# Altium PCB F1_MODULE.PcbDoc (part 1 of 2) (continued)
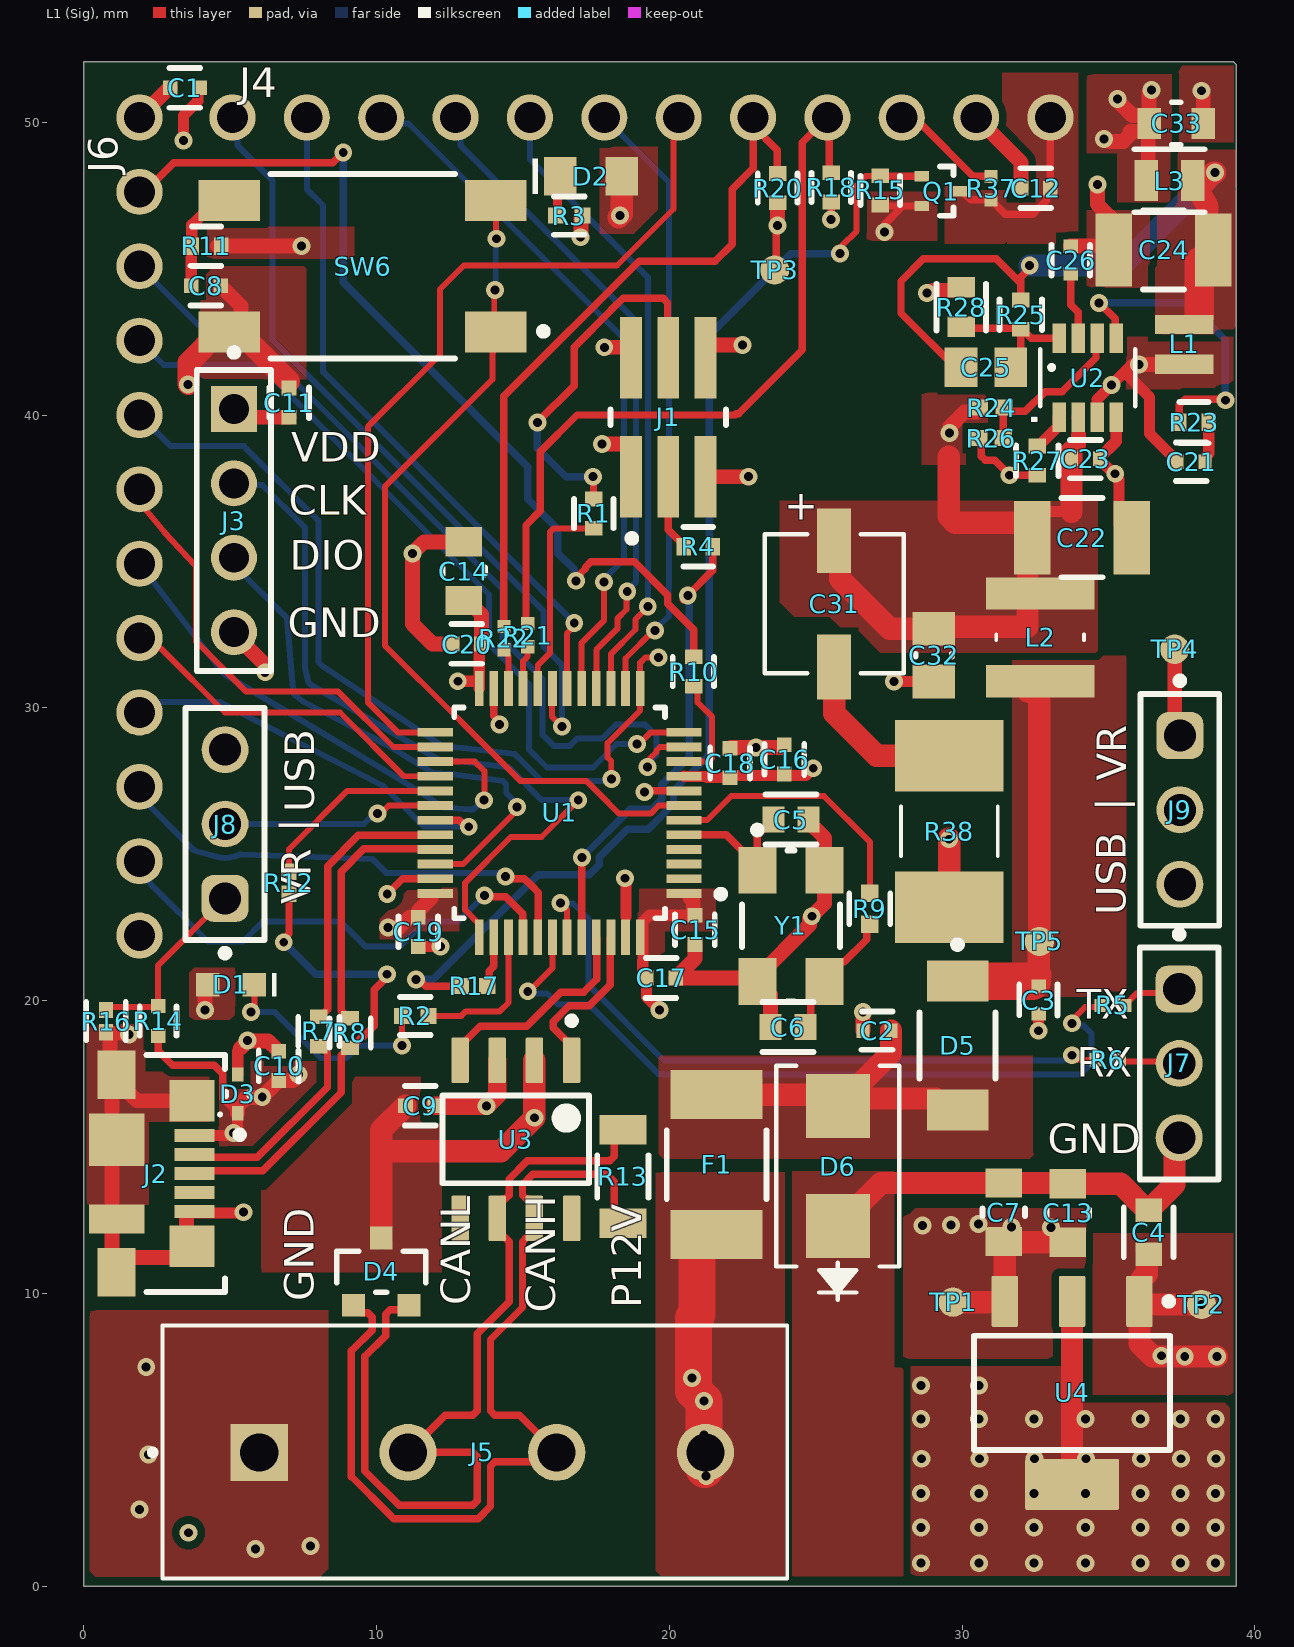
[diagram p0: L1 (Sig) view]
## Part data (continued)
F1: library part CMP-08606-000001-1, "PTC RESET FUSE 24V 1.1A 1812", Ambient Temperature Range High=+85°C, Ambient Temperature Range Low=-40°C, Current Rating=20A, Hold Current=1.1A, Manufacturer=Littelfuse, Package=0, Resistance=0.06-0.18Ω, Temperature="-40°C to +85°C", Trip Current=2.2A, Voltage Rating=24V, Automotive=No, Category=Fuse, ComponentLink2Description=Datasheet, ComponentLink2URL=https://www.littelfuse.com/~/media/electronics/datasheets/resettable_ptcs/littelfuse_ptc_minismdc_datasheet.pdf.pdf, Device Class L1="Circuit Protection", Device Class L2="PTC Resettable Fuses", Device Class L3=unset, Digikey Description="PTC RESET FUSE 24V 1.1A 1812", Height=1.46mm, Lead Free=Yes, Manufacturer Part Number=MINISMDC110F/24-2, Octopart=https://octopart.com/minismdc110f%2F24-2-littelfuse-74215018, RoHS=TRUE, Temperature Range High=+85°C, Temperature Range Low=-40°C, Trip Time=0.5s
J1: library part CMP-02766-001757-1, "CONN HEADER SMD 6POS 1.27MM", Flammability Rating="UL94 V-0", Housing Color=Black, Max Operating Temperature=125°C, Min Operating Temperature=-55°C, Contact Finish - Mating=GOLD, Contact Material=Bronze, Contact Plating=Gold, Contact Shape=Square, Contact Type="Male Pin", Depth=5.84mm, Fastening Type=Pull, Gender=Male, Housing Material=Polymer, Insulation Color=Black, Insulation Material=Polymer, Lead Free="Lead Free", Length=3.81mm, Number of Contacts=6, Number of Positions=6, Number of Rows=2, Orientation=Straight, Packaging="Tape and Reel", Pitch=1.27mm, Radiation Hardening=No, RoHS Compliant=Yes, Series=FTSH, Termination=Solder
J2: library part CMP-2000-05246-2, "CONN RCPT USB2.0 MICRO B SMD R/A", Current Rating=1.8A, Manufacturer=Molex, Package=0, Temperature="-30°C to +85°C", Temperature Range High=+85°C, Temperature Range Low=-30°C, Voltage Rating=30V, Automotive=No, Category=Conn, ComponentLink2Description=Datasheet, ComponentLink2URL=https://www.molex.com/webdocs/datasheets/pdf/en-us/0473460001_IO_CONNECTORS.pdf, Conn Orientation="Right Angle", Contact Material=Gold,Nickel, Device Class L1=Connectors, Device Class L2="USB Connectors", Device Class L3=unset, Digikey Description="CONN RCPT USB2.0 MICRO B SMD R/A", Footprint Url=https://www.molex.com/pdm_docs/sd/473460001_sd.pdf, Height=2.945mm, Is Female=yes, Lead Free=Yes, Manufacturer Part Number=473460001, Number of Contacts=5, Octopart=https://octopart.com/47346-0001-molex-7164928, Pitch=0.65mm, RoHS=TRUE, Shielding=true, Usb Standard="USB 2.0"
J3: library part CMP-02766-001776-1, "CONN HEADER VERT 4POS 2.54MM", Contact Material=Bronze, Contact Plating=Gold, Gender=Male, Mount="Through Hole", Number of Contacts=4, Number of Rows=1, Packaging=Bulk, Pitch=2.54mm, Radiation Hardening=No, Reach SVHC Compliant=Yes, RoHS Compliant=Yes, Series=HTSW, Termination="Through Hole"
J4 J6: "KK 254 Breakaway Header, Vertical, 12 Circuits, Tin (Sn) Plating, Mating Pin Length 8.13mm", Color=Black, Contact Resistance=20mΩ, Current Rating=4A, Insulation Resistance=50GΩ, Manufacturer=Molex, Manufacturer Lifecycle Status=ACTIVE, Max Operating Temperature=75°C, Max Voltage Rating (AC)=250V, Min Operating Temperature=-40°C, Supplier Part Number=4232426, Category="Headers and Wire Housings", China RoHS=Compliant, ComponentLink1Description=https://datasheet.octopart.com:443/22-28-4121-Molex-datasheet-166051265.pdf?src-supplier=IHS, ComponentLink1URL=https://datasheet.octopart.com:443/22-28-4121-Molex-datasheet-166051265.pdf?src-supplier=IHS, ComponentLink2Description=https://datasheet.octopart.com:443/22-28-4121-Molex-datasheet-16300599.pdf?src-supplier=Molex, ComponentLink2URL=https://datasheet.octopart.com:443/22-28-4121-Molex-datasheet-16300599.pdf?src-supplier=Molex, ComponentLink3Description=https://sigma.octopart.com:443/16300370/technical_drawing/Molex-22-28-4121.pdf?src-supplier=Molex, ComponentLink3URL=https://sigma.octopart.com:443/16300370/technical_drawing/Molex-22-28-4121.pdf?src-supplier=Molex, ComponentLink4Description=https://datasheet.octopart.com:443/022284121-Molex-datasheet-8334776.pdf?src-supplier=Molex, ComponentLink4URL=https://datasheet.octopart.com:443/022284121-Molex-datasheet-8334776.pdf?src-supplier=Molex, ComponentLink5Description=https://datasheet.octopart.com:443/22-28-4121-Molex-datasheet-147975.pdf?src-supplier=DigiKey, ComponentLink5URL=https://datasheet.octopart.com:443/22-28-4121-Molex-datasheet-147975.pdf?src-supplier=DigiKey, ComponentLink6Description=http://sigma.octopart.com:80/16300600/rohs_statement/Molex-22-28-4121.pdf?src-supplier=Compliance+Statements, ComponentLink6URL=http://sigma.octopart.com:80/16300600/rohs_statement/Molex-22-28-4121.pdf?src-supplier=Compliance+Statements, ComponentLink7Description=http://sigma.octopart.com:80/conflict_mineral_statement/Molex-company-72.pdf?src-supplier=Compliance+Statements, ComponentLink7URL=http://sigma.octopart.com:80/conflict_mineral_statement/Molex-company-72.pdf?src-supplier=Compliance+Statements, ComponentLink8Description=http://sigma.octopart.com:80/rohs_statement/Molex-company-73.pdf?src-supplier=Compliance+Statements, ComponentLink8URL=http://sigma.octopart.com:80/rohs_statement/Molex-company-73.pdf?src-supplier=Compliance+Statements, ComponentLink9Description=http://sigma.octopart.com:80/reach_statement/Molex-company-74.pdf?src-supplier=Compliance+Statements, ComponentLink9URL=http://sigma.octopart.com:80/reach_statement/Molex-company-74.pdf?src-supplier=Compliance+Statements, Connector Type="Male Pin", Contact Gender=Male, Contact Material=Bronze, Contact Mating Length=8.128mm, Contact Plating=Tin, Country of Origin=US, Depth=2.49mm, Gender=Male, Housing Color=Black, Housing Material=Thermoplastic, Lead Free="Lead Free", Length=30.48mm, Lifecycle Status=Production, Manufacturer Part Number=22-28-4121, Mounting Technology="Through Hole", Number of Circuits=12, Number of Contacts=12, Number of Positions=12, Number of Rows=1, Orientation=Vertical, Packaging=Bulk, Pins=12, Pitch=2.54mm, Plating=Tin, Pricing="300=0.506, 900=0.491 (EUR)", REACH SVHC=Yes, RoHS=Compliant, Stock=4391, Supplier=Farnell, Terminal Pitch=2.54mm, Termination=Solder
J5: "Block, Terminal; 13.5 A; 250 V; 5.08 mm; 26 to 16 AWG; 4; Screw; Solder; 4 kV", Color=Green, Current=10A, Current Rating=13.5A, Flammability Rating="UL94 V-0", Manufacturer="Phoenix Contact", Max Operating Temperature=100°C, Max Supply Voltage=250V, Min Operating Temperature=-20°C, Supplier Part Number=2901264, Test Voltage=4kV, Voltage=300V, Voltage Rating=400V, Approvals="CB, CSA, cUL", Category="Terminal Blocks", China RoHS=Compliant, ComponentLink1Description=https://datasheet.octopart.com:443/1729144-Phoenix-Contact-datasheet-181074908.pdf?src-supplier=IHS, ComponentLink1URL=https://datasheet.octopart.com:443/1729144-Phoenix-Contact-datasheet-181074908.pdf?src-supplier=IHS, ComponentLink2Description=https://datasheet.octopart.com:443/1729144-Phoenix-Contact-datasheet-83960592.pdf?src-supplier=element14+APAC, ComponentLink2URL=https://datasheet.octopart.com:443/1729144-Phoenix-Contact-datasheet-83960592.pdf?src-supplier=element14+APAC, ComponentLink3Description=https://datasheet.octopart.com:443/1729144-Phoenix-Contact-datasheet-20682991.pdf?src-supplier=Newark, ComponentLink3URL=https://datasheet.octopart.com:443/1729144-Phoenix-Contact-datasheet-20682991.pdf?src-supplier=Newark, ComponentLink4Description=https://datasheet.octopart.com:443/1729144-Phoenix-Contact-datasheet-21212956.pdf?src-supplier=Newark, ComponentLink4URL=https://datasheet.octopart.com:443/1729144-Phoenix-Contact-datasheet-21212956.pdf?src-supplier=Newark, ComponentLink5Description=https://datasheet.octopart.com:443/1729144-Phoenix-Contact-datasheet-169855811.pdf?src-supplier=Master+Electronics, ComponentLink5URL=https://datasheet.octopart.com:443/1729144-Phoenix-Contact-datasheet-169855811.pdf?src-supplier=Master+Electronics, ComponentLink6Description=https://datasheet.octopart.com:443/1729144-Phoenix-Contact-datasheet-154778803.pdf?src-supplier=Electro+Sonic, ComponentLink6URL=https://datasheet.octopart.com:443/1729144-Phoenix-Contact-datasheet-154778803.pdf?src-supplier=Electro+Sonic, ComponentLink7Description=https://datasheet.octopart.com:443/1729144-Phoenix-Contact-datasheet-9657250.pdf?src-supplier=TodayComponents, ComponentLink7URL=https://datasheet.octopart.com:443/1729144-Phoenix-Contact-datasheet-9657250.pdf?src-supplier=TodayComponents, ComponentLink8Description=https://datasheet.octopart.com:443/1729144-Phoenix-Contact-datasheet-177321331.pdf?src-supplier=Burklin+Elektronik, ComponentLink8URL=https://datasheet.octopart.com:443/1729144-Phoenix-Contact-datasheet-177321331.pdf?src-supplier=Burklin+Elektronik, ComponentLink9Description=https://datasheet.octopart.com:443/1729144-Phoenix-Contact-datasheet-33458667.pdf?src-supplier=MRO+Stop, ComponentLink9URL=https://datasheet.octopart.com:443/1729144-Phoenix-Contact-datasheet-33458667.pdf?src-supplier=MRO+Stop, ComponentLink10Description=https://datasheet.octopart.com:443/1729144-Phoenix-Contact-datasheet-11779056.pdf?src-supplier=Arrow+Electronics, ComponentLink10URL=https://datasheet.octopart.com:443/1729144-Phoenix-Contact-datasheet-11779056.pdf?src-supplier=Arrow+Electronics, ComponentLink11Description=https://datasheet.octopart.com:443/1729144-Phoenix-Contact-datasheet-62122477.pdf?src-supplier=RS+(Formerly+Allied+Electronics), ComponentLink11URL=https://datasheet.octopart.com:443/1729144-Phoenix-Contact-datasheet-62122477.pdf?src-supplier=RS+(Formerly+Allied+Electronics), ComponentLink12Description=https://datasheet.octopart.com:443/1729144-Phoenix-Contact-datasheet-100427.pdf?src-supplier=RS+(Formerly+Allied+Electronics), ComponentLink12URL=https://datasheet.octopart.com:443/1729144-Phoenix-Contact-datasheet-100427.pdf?src-supplier=RS+(Formerly+Allied+Electronics), ComponentLink13Description=https://datasheet.octopart.com:443/1729144-Phoenix-Contact-datasheet-7644.pdf?src-supplier=DigiKey, ComponentLink13URL=https://datasheet.octopart.com:443/1729144-Phoenix-Contact-datasheet-7644.pdf?src-supplier=DigiKey, Connector Type=Screw, Contact Material=Tin, Depth=8.1mm, Height=10.15mm, Housing Color=Green, Insulation Material=Nylon, Lead Free="Lead Free", Lead Pitch=5.08mm, Length=20.32mm, Lifecycle Status=Production, Manufacturer Part Number=1729144, Max Current Rating=13.5A, Mounting Technology=Screw, Number of Circuits=4, Number of Contacts=4, Number of Levels=1, Number of Poles=4, Number of Positions=4, Number of Positions Per Level=4, Number of Rows=1, Orientation=Straight, Packaging=Bulk, Pins=4, Pitch=5.08mm, Pricing="5=1.936, 125=1.748, 375=1.65, 1000=1.462, 2000=1.352 (EUR)", Radiation Hardening=No, REACH SVHC=No, RoHS=Compliant, Stock=210, Stripping Length=6mm, Supplier=RS, Termination=Screw, Voltage Rating (AC)=250V, Weight=3.679995g, Width=10mm, Wire Gauge (Max)=26AWG, Wire Gauge (Min)=26AWG, Wire/Cable Gauge=16AWG
J7 J8 J9: library part CMP-1502-01062-3, "CONN HEADER VERT 3POS 2.54MM", Color=Black, Contact Resistance=20mΩ, Current Rating=3A, Max Operating Temperature=105°C, Min Operating Temperature=-40°C, Operating Supply Voltage=250V, Connector Type="Male Pin", Contact Material=Copper, Contact Mating Length=5.9944mm, Contact Plating=Gold, Gender=Male, Height=8.94mm, Lead Free="Lead Free", Lead Pitch=2.54mm, Mount="Through Hole", NexarPartId=32855521, Number of Contacts=3, Number of Pins=3, Number of Positions=3, Number of Rows=1, Orientation=Vertical, Packaging=Bulk, Pitch=2.54mm, REACH SVHC=Unknown, RoHS=Compliant, Termination=Solder, Voltage Rating=250V
L1: "Inductor Power Shielded Wirewound 1uH 20% 1MHz Metal 1.9A 0.064Ohm DCR Automotive T/R", Case Code (Imperial)=0808, Current Rating=1.9A, DC Resistance (DCR)=64mΩ, Manufacturer="Taiyo Yuden", Max Operating Temperature=125°C, Max Saturation Current=2.55A, Min Operating Temperature=-40°C, Ratings=AEC-Q200, Saturation Current=2.9A, Supplier Part Number=587-4110-1-ND, Temperature Rise Current=2.05A, Test Frequency=1MHz, Tolerance=20%, Case/Package=0808, Category="Fixed Inductors", ComponentLink1Description=https://datasheet.octopart.com:443/MDMK2020T1R0MMV-Taiyo-Yuden-datasheet-181261916.pdf?src-supplier=IHS, ComponentLink1URL=https://datasheet.octopart.com:443/MDMK2020T1R0MMV-Taiyo-Yuden-datasheet-181261916.pdf?src-supplier=IHS, ComponentLink2Description=https://datasheet.octopart.com:443/MDMK2020T1R0MMV-Taiyo-Yuden-datasheet-141253780.pdf?src-supplier=Taiyo+Yuden+SCT, ComponentLink2URL=https://datasheet.octopart.com:443/MDMK2020T1R0MMV-Taiyo-Yuden-datasheet-141253780.pdf?src-supplier=Taiyo+Yuden+SCT, Composition=Wirewound, Core Material=Metal, Height=1.2mm, Height - Seated (Max)=1.1938mm, Length=2.0066mm, Lifecycle Status=Production, Manufacturer Part Number=MDMK2020T1R0MMV, Max Current Rating=1.9A, Max DC Current=1.9A, Max Length=2.15mm, Max Temperature Rise Current=1.9A, Max Width=2.15mm, Min Length=1.85mm, Min Width=1.85mm, Mounting Technology="Surface Mount", Number of Circuits=1, Number of Terminals=2, Packaging="Tape & Reel (TR)", Pricing="1=0.49, 10=0.399, 25=0.3692, 50=0.348, 100=0.3282, 250=0.30356, 500=0.28622, 1000=0.26987 (USD)", REACH SVHC=Yes, RoHS=Compliant, Shielding=No, Stock=4551, Supplier=DigiKey, Termination=SMD/SMT, Width=2mm
L2: "General Purpose Inductor, 8.2uH, 20%, 1 Element, Ferrite-Core, SMD, 1212", Case/Package=1212, DC Resistance (DCR)=396mΩ, Manufacturer=Bourns, Max Current Rating=1.3A, Max Operating Temperature=125°C, Min Operating Temperature=-40°C, Self Resonant Frequency=45MHz, Supplier Part Number=4176523, Test Frequency=100kHz, Tolerance=20%, Category="Fixed Inductors", ComponentLink1Description=https://datasheet.octopart.com:443/SRN3010C-8R2M-Bourns-datasheet-179982194.pdf?src-supplier=IHS, ComponentLink1URL=https://datasheet.octopart.com:443/SRN3010C-8R2M-Bourns-datasheet-179982194.pdf?src-supplier=IHS, ComponentLink2Description=http://sigma.octopart.com:80/conflict_mineral_statement/Bourns-company-36.pdf?src-supplier=Compliance+Statements, ComponentLink2URL=http://sigma.octopart.com:80/conflict_mineral_statement/Bourns-company-36.pdf?src-supplier=Compliance+Statements, Core Material=Ferrite, Height=900µm, Lifecycle Status=Production, Manufacturer Part Number=SRN3010C-8R2M, Number of Circuits=1, Number of Terminals=2, Pricing="5=0.329, 50=0.264, 250=0.202, 500=0.186, 1500=0.164 (EUR)", REACH SVHC=Yes, RoHS=Compliant, Shielding=Yes, Stock=2960, Supplier=Farnell, Width=3mm
L3: library part CMP-06042-016608-1, "FIXED IND .33UH 3.4A 31MOHM", Inductance value=.33uH, RoHS Compliant=Yes
Q1: library part CMP-02550-000328-1, "MOSFET P-CH 20V 350MA SC75A", Case/Package=SOT-416, Continuous Drain Current (ID)=350mA, Drain to Source Breakdown Voltage=-20V, Drain to Source Resistance=1.2R, Gate to Source Voltage (Vgs)=6V, Max Operating Temperature=150°C, Max Power Dissipation=150mW, Min Operating Temperature=-55°C, Package Quantity=1, Threshold Voltage=-450mV, Drain to Source Voltage (Vdss)=-20V, Drain-source On Resistance-Max=1.2R, Element Configuration=Single, Fall Time=9ns, Height=0.7mm, Lead Free="Lead Free", Length=1.58mm, Mount="Surface Mount", Number of Channels=1, Number of Elements=1, Number of Pins=3, On-State Resistance=1.2R, Packaging="Tape and Reel", Polarity=P-CHANNEL, Polarization=P, Power Dissipation=150mW, Radiation Hardening=No, Rds On Max=1.2R, Reach SVHC Compliant=Yes, Rise Time=9ns, Series=TrenchFET®, Turn-Off Delay Time=35ns, Turn-On Delay Time=5ns, Width=0.76mm
R1 R4 R11 R15: library part CMP-2002-07915-3, "RES 10K OHM 5% 1/16W 0402", Case Code (Imperial)=0402, Case Code (Metric)=1005, Max Operating Temperature=155°C, Max Power Dissipation=63mW, Min Operating Temperature=-55°C, Package Quantity=1, Power Rating=62.5mW, Resistance=10kR, Resistance Tolerance=5%, Resistor Type="Thick Film", Temperature Coefficient=100ppm/°C, Voltage Rating=50V, Case/Package=0402, Construction=Rectangular, Depth=0.5mm, Features="Moisture Resistant", Height=0.016inch, Lead Free="Lead Free", Length=0.039inch, Military Standard=Not, Number of Terminations=2, Packaging="Tape and Reel", RoHS Compliant=Yes, Series=RC, Size Code=0402, Termination=SMD/SMT, Tolerance=5%, Width=0.02inch
R2 R3: library part CMP-02407-010762-1, "RES SMD 1.2K OHM 1% 1/10W 0402", Case Code (Imperial)=0402, Case Code (Metric)=1005, Max Operating Temperature=175°C, Max Power Dissipation=100mW, Min Operating Temperature=-55°C, Package Quantity=1, Resistance=100R, Temperature Coefficient=50ppm/°C, Tolerance=1%, Voltage Rating=50V, Case/Package=0402, Composition="Thin Film", Contact Plating=Tin, Features="Automotive AEC-Q200", Height=0.015inch, Length=0.039inch, Number of Terminations=2, Packaging="Tape and Reel", Power Rating=100mW, Weight=2.1E-05oz, Width=0.02inch
R5 R6 R21 R22 R37: library part CMP-2000-07451-1, "Chip Resistor, 0 Ohm, 0.1 W, -55 to 155 degC, 0402 (1005 Metric), RoHS, Tape and Reel", Case Code (Imperial)=0402, Case Code (Metric)=1005, Manufacturer=Panasonic, Max Operating Temperature=155degC, Max Power Dissipation=100mW, Min Operating Temperature=-55degC, Package Description="2-Pin Surface Mount Device, Body 1 x 0.5 mm", Package Quantity=1, Package Reference=402, Resistance=0R, Temperature Coefficient=600ppm/��C, Tolerance=5%, Voltage Rating=50V, Case/Package=0402, Composition=ThickFilm, Contact Plating=Tin, Datasheet URL=https://industrial.panasonic.com/cdbs/www-data/pdf/RDA0000/AOA0000C301.pdf, Datasheet Version=03/2015, Depth=0.5mm, Height=0.35mm, Lead Free=LeadFree, Length=1mm, Manufacturer URL=http://www.panasonic.com/, Military Standard=Not, Mount=SurfaceMount, Mounting Technology=SurfaceMount, Number of Terminations=2, Packaging=TapeandReel, Power Rating=100mW, Radiation Hardening=No, REACH SVHC=NoSVHC, RoHSCompliant=True, Termination=SMD/SMT, Voltage Rating (DC)=50V, Width=0.02inch
R7 R8 R10 R23: library part CMP-2002-02569-2, "RES SMD 20 OHM 1% 1/16W 0402", Manufacturer=Yageo, Package=RT0402, Power Rating=0.063W, Resistance=20Ω, Temperature="-55°C to +155°C", Temperature Coefficient="50 ppm/°C", Temperature Range High=+155°C, Temperature Range Low=-55°C, Tolerance=0.01, Voltage Rating=50V, Automotive=No, Category=Res, ComponentLink2Description=Datasheet, ComponentLink2URL=http://www.yageo.com/documents/recent/PYu-RT_1-to-0.01_RoHS_L_9.pdf, Composition="Thin Film", Device Class L1="Passive Components", Device Class L2=Resistors, Device Class L3="Chip SMD Resistors", Digikey Description="RES SMD 20 OHM 1% 1/16W 0402", Footprint Url=http://www.yageo.com/exep/pages/download/literatures/PYu-R_Mount_10.pdf, Height=0.35mm, Ipc Land Pattern Name=RESC10050X30, Lead Free=Yes, Manufacturer Part Number=RT0402FRE0720RL, Octopart=https://octopart.com/rt0402fre0720rl-yageo-1278881, RoHS=TRUE, Series=RT
R9: library part CMP-1011-00463-3, "RES Thick Film, 390Ω, 1%, 0.063W, 100ppm/°C, 0402", Case Code (Imperial)=0402, Case Code (Metric)=1005, Max Operating Temperature=155°C, Max Power Dissipation=63mW, Min Operating Temperature=-55°C, Package Quantity=10, Resistance=390R, Temperature Coefficient=100ppm/°C, Tolerance=1%, Voltage Rating=50V, Case/Package=0402, Composition="Thick Film", Contact Plating=Tin, Depth=0.5mm, Features="Automotive AEC-Q200", Height=0.35mm, Lead Free="Lead Free", Length=1mm, Military Standard=Not, Number of Terminations=2, Packaging="Tape and Reel", Power Rating=63mW, Radiation Hardening=No, Termination=SMD/SMT, Voltage Rating (DC)=50V, Weight=2.3E-05oz, Width=0.02inch
R12: library part CMP-2002-05878-1, "RES SMD 1.5K OHM 0.1% 1/16W 0402", Manufacturer=Panasonic, Resistance=1.5k, Part Number=ERA2AEB152X
R13: library part CMP-26527-005834-1, "0.12Ω ±1% 0.25W 1206 Thick Film Chip Resistor AEC-Q200 compliant", Max Operating Temperature=155°C, Min Operating Temperature=-55°C, Resistance=120R, Tolerance=1%, Mount="Surface Mount", Packaging="Tape and Reel", RoHS Compliant=Yes
R14: library part CMP-2002-05885-2, "RES SMD 33K OHM 0.1% 1/16W 0402", Case Code (Imperial)=0402, Case Code (Metric)=1005, Max Operating Temperature=155°C, Max Power Dissipation=63mW, Min Operating Temperature=-55°C, Package Quantity=10000, Resistance=33kR, Resistance Tolerance=0.1%, Resistor Type="Thin Film", Temperature Coefficient=25ppm/°C, Voltage Rating=50V, Voltage Rating (DC)=25V, Case/Package=0402, Construction=Rectangular, Contact Plating=Tin, Depth=0.5mm, Height=0.35mm, Lead Free="Lead Free", Length=1mm, Military Standard=Not, Mount="Surface Mount", Number of Pins=2, Number of Terminations=2, Packaging="Tape and Reel", Power Rating=63mW, Radiation Hardening=No, RoHS Compliant=Yes, Series=ERA-2A, Technology="METAL FILM", Termination=SMD/SMT, Tolerance=0.1%, Width=0.5mm
R16: library part CMP-03211-009791-1, "CRGCQ0402 82KΩ 1% ±100ppm/°C 50V", Ambient Temperature Range High=+70°C, Manufacturer="TE Connectivity", Package=CRGCQ0402, Power Rating=0.0625W, Resistance=82KΩ, Temperature="-55°C to +155°C", Temperature Coefficient=±100ppm/°C, Temperature Range High=+155°C, Temperature Range Low=-55°C, Tolerance=0.01, Voltage Rating=50V, Automotive=Yes, Category=Res, ComponentLink2Description=Datasheet, ComponentLink2URL=https://www.te.com/commerce/DocumentDelivery/DDEController?Action=showdoc&DocId=Data+Sheet%7F1773204-3%7F1%7Fpdf%7FEnglish%7FENG_DS_1773204-3_1.pdf%7F4-2176347-1130, Composition="Thick Film", Device Class L1="Passive Components", Device Class L2=Resistors, Device Class L3="Chip SMD Resistors", Height=0.4mm, Ipc Land Pattern Name=RESC10050X35, Lead Free=Yes, Manufacturer Part Number=CRGCQ0402F82K, Octopart=https://octopart.com/crgcq0402f82k-te+connectivity-91017988, RoHS=TRUE, Series=CRGCQ
R17: library part CMP-2002-00462-1, Manufacturer=Panasonic, Resistance=160, Part Number=ERJ-2GEJ161X
R18 R20: library part CMP-2002-08011-2, "4.7 kOhms ±5% 0.063W, 1/16W Chip Resistor 0402 (1005 Metric) Moisture Resistant Thick Film", Case Code (Imperial)=0402, Max Operating Temperature=155°C, Max Power Dissipation=63mW, Min Operating Temperature=-55°C, Resistance=4.7kΩ, Temperature Coefficient=100ppm/°C, Tolerance=5%, Voltage Rating=50V, Case/Package=0402, Composition="Thick Film", Depth=500µm, Features="Moisture Resistant", Height=350µm, Lead Free="Lead Free", Length=1mm, Military Standard=Not, Number of Pins=2, Number of Terminations=2, Packaging="Tape & Reel", Power Rating=63mW, REACH SVHC="No SVHC", RoHS=Compliant, Schedule B="8533210045, 8533210045", Termination=SMD/SMT, Voltage Rating (AC)=50V, Voltage Rating (DC)=50V, Width=500µm
R24 R26: library part CMP-2002-07343-1, "100 kOhms ±1% 0.063W, 1/16W Chip Resistor 0402 (1005 Metric) Moisture Resistant Thick Film", Manufacturer="Yageo / Phycomp", Part Number=RC0402FR-07100KL
R25: library part CMP-03412-045777-1, "Anti-Sulfurated Chip Resistors Automotive Grade 20kΩ 5% 100ppm/°C 0402", Case/Package=0402, Max Operating Temperature=155°C, Max Power Dissipation=63mW, Min Operating Temperature=-55°C, Resistance=20kR, Resistor Type="Thick Film", Temperature Coefficient=100ppm/°C, Tolerance=5%, Features="Moisture Resistant", Height=0.015inch, Length=0.039inch, Number of Terminations=2, Packaging="Tape and Reel", RoHS Compliant=Yes, Series=AF, Width=0.02inch
R27: library part CMP-03412-045117-1, "Anti-Sulfurated Chip Resistors Automotive Grade 40.2kΩ 1% 100ppm/°C 0402", Case/Package=0402, Max Operating Temperature=155°C, Max Power Dissipation=63mW, Min Operating Temperature=-55°C, Resistance=40.2kR, Resistor Type="Thick Film", Temperature Coefficient=100ppm/°C, Tolerance=1%, Features="Moisture Resistant", Height=0.015inch, Length=0.039inch, Number of Terminations=2, Packaging="Tape and Reel", RoHS Compliant=Yes, Series=AF, Width=0.02inch
R28: library part CMP-02407-002952-1, "RES SMD 100 OHM 1% 1/8W 0603", Case/Package=0603, Max Operating Temperature=155°C, Max Power Dissipation=125mW, Min Operating Temperature=-55°C, Package Quantity=5000, Resistance=6.34kR, Temperature Coefficient=50ppm/°C, Tolerance=1%, Composition="Thin Film", Depth=0.85mm, Height=0.022inch, Lead Free="Lead Free", Length=0.061inch, Military Standard=Not, Number of Terminations=2, Packaging="Tape and Reel", Width=0.033inch
R38: "Res Thick Film 2512 3.3 Ohm 5% 2W ±200ppm/C Pad SMD T/R", Case Code (Imperial)=2512, Case Code (Metric)=6432, Manufacturer=Bourns, Max Operating Temperature=155°C, Max Power Dissipation=2W, Min Operating Temperature=-55°C, Supplier Part Number=2908504, Temperature Coefficient=200ppm/°C, Tolerance=5%, Working Voltage=300V, Case/Package=2512, Category="Chip SMD Resistors", China RoHS=Non-Compliant, ComponentLink1Description=https://datasheet.octopart.com:443/CRM2512-JW-3R3ELF-Bourns-datasheet-170520297.pdf?src-supplier=IHS, ComponentLink1URL=https://datasheet.octopart.com:443/CRM2512-JW-3R3ELF-Bourns-datasheet-170520297.pdf?src-supplier=IHS, ComponentLink2Description=https://datasheet.octopart.com:443/CRM2512-JW-3R3ELF-Bourns-datasheet-47549200.pdf?src-supplier=Burklin+Elektronik, ComponentLink2URL=https://datasheet.octopart.com:443/CRM2512-JW-3R3ELF-Bourns-datasheet-47549200.pdf?src-supplier=Burklin+Elektronik, ComponentLink3Description=https://datasheet.octopart.com:443/CRM2512-JW-3R3ELF-Bourns-datasheet-164353756.pdf?src-supplier=JRH+Electronics, ComponentLink3URL=https://datasheet.octopart.com:443/CRM2512-JW-3R3ELF-Bourns-datasheet-164353756.pdf?src-supplier=JRH+Electronics, ComponentLink4Description=https://datasheet.octopart.com:443/CRM2512-JW-3R3ELF-Bourns-datasheet-154729672.pdf?src-supplier=Electro+Sonic, ComponentLink4URL=https://datasheet.octopart.com:443/CRM2512-JW-3R3ELF-Bourns-datasheet-154729672.pdf?src-supplier=Electro+Sonic, ComponentLink5Description=https://datasheet.octopart.com:443/CRM2512-JW-3R3ELF-Bourns-datasheet-182141858.pdf?src-supplier=Master+Electronics, ComponentLink5URL=https://datasheet.octopart.com:443/CRM2512-JW-3R3ELF-Bourns-datasheet-182141858.pdf?src-supplier=Master+Electronics, ComponentLink6Description=http://sigma.octopart.com:80/conflict_mineral_statement/Bourns-company-36.pdf?src-supplier=Compliance+Statements, ComponentLink6URL=http://sigma.octopart.com:80/conflict_mineral_statement/Bourns-company-36.pdf?src-supplier=Compliance+Statements, Composition="Thick Film", Height=600µm, Length=6.2992mm, Lifecycle Status=Production, Manufacturer Part Number=CRM2512-JW-3R3ELF, Mounting Technology="Surface Mount", Number of Terminals=2, Number of Terminations=2, Packaging="Tape & Reel (TR)", Power Dissipation=2W, Power Rating=2W, Pricing="10=0.241, 100=0.159, 500=0.128, 1000=0.119, 2000=0.108, 4000=0.0989 (EUR)", REACH SVHC=Yes, RoHS=Compliant, Schedule B="8533210045, 8533210045|8533210045|8533210045|8533210045|8533210045", Stock=3794, Supplier=Farnell, Width=3.1mm
SW6: library part CMP-03407-000020-1, "SWITCH TACTILE SPST-NO 0.05A 12V", RoHS Compliant=Yes
TP1 TP2 TP3 TP4 TP5: library part TEST_POINT_RND_1MM, "Test Point Round 1mm (NO BOM)"
U1: library part CMP-0237-00247-4, "ARM® Cortex®-M3 STM32F1 Microcontroller IC 32-Bit 72MHz 128KB (128K x 8) FLASH", Ambient Temperature Range High=105°C, Case/Package=LQFP, Frequency=72MHz, Max Operating Temperature=85°C, Max Power Dissipation=363mW, Max Supply Voltage=3.6V, Min Operating Temperature=-40°C, Min Supply Voltage=2V, Nominal Supply Current=1.7µA, Core Architecture=ARM, Data Bus Width=32b, Flash Memory Size=128kB, Height=1.6mm, Interface="CAN, I2C, IrDA, LIN, SPI, USART, USB", Lead Free="Lead Free", Length=7mm, Lifecycle Status=Production, Max Frequency=72MHz, Max Junction Temperature (Tj)=105°C, Memory Size=128kB, Memory Type=FLASH, NexarPartId=12442975, Number of A/D Converters=2, Number of ADC Channels=10, Number of Channels=10, Number of I2C Channels=2, Number of I/Os=37, Number of Pins=48, Number of Programmable I/O=37, Number of PWM Channels=4, Number of SPI Channels=2, Number of Timers/Counters=4, Number of UART Channels=3, Number of USART Channels=3, Number of USB Channels=1, Oscillator Type=Internal, Packaging="Tape & Reel (TR)", Peripherals="DMA, I2C, POR, PWM, Temp Sensor, WDT", Radiation Hardening=No, RAM Size=20kB, RoHS=Compliant, Schedule B=8542310000, Watchdog Timer=Yes
U2: "Switching Voltage Regulators High Effic 1A,24V, 2MHz Syn StepDw Conv"
U3: "Texas Instruments - SN65HVD232QDRQ1 - Can Bus, Transceiver, Can, 1, 1, 3 V, 3.6 V, SOIC", Ambient Temperature Range High=125°C, Case/Package=SOIC, Manufacturer="Texas Instruments", Manufacturer Lifecycle Status=ACTIVE, Max Supply Current=17mA, Max Supply Voltage=3.6V, Min Operating Temperature=-40°C, Min Supply Voltage=3V, Nominal Supply Current=10mA, Operating Supply Voltage=3.3V, Supplier Part Number=296-15381-1-ND, Category="CAN Transceivers", ComponentLink1Description=https://octopart.com:443/opatz8j6/c1?t=LITAgAgz7B7QdaI9Qt2HgjoOmCu10XyqoYNHrwpusWZQVAPjgkmSFEF_risBrFxYo7pRufx3DEyy-N2gHphhBbY-O2brPGwBF0qWRDZBJwKpc8vz7NpKSZYmgFurZzREfPeTPNY--uS1FGiQhAQrSt4zcAPh1I7_MFqUNujoR0GcOpyZmo-pl9rdjnllxDCclFCKWB0voRrbvMpqWNAUQ8_CUMXod7jJBc2QYEMrdlZ29hcqAraiQu_d7e2TY7iSXt3xUmcpQy3q8KC-DM-dgBTcyvd1Ne-Gppd1cBkfaDw_Hz75aMDp-mAqQ1vF_U4SwwQFJ6tBaMhfxI2bAF_CCtHKrOx3ejVdVy91kaUfrzlkSVnoyQmpLArEwGXVjVjJpcLj4gC98fsP&src-supplier=Texas+Instruments, ComponentLink1URL=https://octopart.com:443/opatz8j6/c1?t=LITAgAgz7B7QdaI9Qt2HgjoOmCu10XyqoYNHrwpusWZQVAPjgkmSFEF_risBrFxYo7pRufx3DEyy-N2gHphhBbY-O2brPGwBF0qWRDZBJwKpc8vz7NpKSZYmgFurZzREfPeTPNY--uS1FGiQhAQrSt4zcAPh1I7_MFqUNujoR0GcOpyZmo-pl9rdjnllxDCclFCKWB0voRrbvMpqWNAUQ8_CUMXod7jJBc2QYEMrdlZ29hcqAraiQu_d7e2TY7iSXt3xUmcpQy3q8KC-DM-dgBTcyvd1Ne-Gppd1cBkfaDw_Hz75aMDp-mAqQ1vF_U4SwwQFJ6tBaMhfxI2bAF_CCtHKrOx3ejVdVy91kaUfrzlkSVnoyQmpLArEwGXVjVjJpcLj4gC98fsP&src-supplier=Texas+Instruments, ComponentLink2Description=https://datasheet.octopart.com:443/SN65HVD232QDRQ1-Texas-Instruments-datasheet-10256965.pdf?src-supplier=Texas+Instruments, ComponentLink2URL=https://datasheet.octopart.com:443/SN65HVD232QDRQ1-Texas-Instruments-datasheet-10256965.pdf?src-supplier=Texas+Instruments, ComponentLink3Description=https://sigma.octopart.com:443/49249642/technical_drawing/Texas-Instruments-SN65HVD232QDRQ1.pdf?src-supplier=Texas+Instruments, ComponentLink3URL=https://sigma.octopart.com:443/49249642/technical_drawing/Texas-Instruments-SN65HVD232QDRQ1.pdf?src-supplier=Texas+Instruments, ComponentLink4Description=https://datasheet.octopart.com:443/SN65HVD232QDRQ1-Texas-Instruments-datasheet-147837789.pdf?src-supplier=Upverter, ComponentLink4URL=https://datasheet.octopart.com:443/SN65HVD232QDRQ1-Texas-Instruments-datasheet-147837789.pdf?src-supplier=Upverter, ComponentLink5Description=https://datasheet.octopart.com:443/SN65HVD232QDRQ1-Texas-Instruments-datasheet-37726331.pdf?src-supplier=Farnell, ComponentLink5URL=https://datasheet.octopart.com:443/SN65HVD232QDRQ1-Texas-Instruments-datasheet-37726331.pdf?src-supplier=Farnell, ComponentLink6Description=https://datasheet.octopart.com:443/SN65HVD232QDRQ1-Texas-Instruments-datasheet-33010704.pdf?src-supplier=element14+APAC, ComponentLink6URL=https://datasheet.octopart.com:443/SN65HVD232QDRQ1-Texas-Instruments-datasheet-33010704.pdf?src-supplier=element14+APAC, ComponentLink7Description=https://datasheet.octopart.com:443/SN65HVD232QDRQ1-Texas-Instruments-datasheet-161336648.pdf?src-supplier=SHENGYU+ELECTRONICS, ComponentLink7URL=https://datasheet.octopart.com:443/SN65HVD232QDRQ1-Texas-Instruments-datasheet-161336648.pdf?src-supplier=SHENGYU+ELECTRONICS, ComponentLink8Description=https://datasheet.octopart.com:443/SN65HVD232QDRQ1-Texas-Instruments-datasheet-17022122.pdf?src-supplier=Factory+Futures, ComponentLink8URL=https://datasheet.octopart.com:443/SN65HVD232QDRQ1-Texas-Instruments-datasheet-17022122.pdf?src-supplier=Factory+Futures, ComponentLink9Description=https://datasheet.octopart.com:443/SN65HVD232QDRQ1-Texas-Instruments-datasheet-14121572.pdf?src-supplier=iiiC, ComponentLink9URL=https://datasheet.octopart.com:443/SN65HVD232QDRQ1-Texas-Instruments-datasheet-14121572.pdf?src-supplier=iiiC, ComponentLink10Description=https://datasheet.octopart.com:443/SN65HVD232QDRQ1-Texas-Instruments-datasheet-47830.pdf?src-supplier=DigiKey, ComponentLink10URL=https://datasheet.octopart.com:443/SN65HVD232QDRQ1-Texas-Instruments-datasheet-47830.pdf?src-supplier=DigiKey, ComponentLink11Description=http://sigma.octopart.com:80/conflict_mineral_statement/Texas-Instruments-company-63.pdf?src-supplier=Compliance+Statements, ComponentLink11URL=http://sigma.octopart.com:80/conflict_mineral_statement/Texas-Instruments-company-63.pdf?src-supplier=Compliance+Statements, ComponentLink12Description=http://sigma.octopart.com:80/reach_statement/Texas-Instruments-company-64.pdf?src-supplier=Compliance+Statements, ComponentLink12URL=http://sigma.octopart.com:80/reach_statement/Texas-Instruments-company-64.pdf?src-supplier=Compliance+Statements, Contact Plating=Gold, Data Rate=1Mbps, Height=1.75mm, Interface=CAN, Lead Free="Lead Free", Length=4.9mm, Lifecycle Status=Production, Manufacturer Part Number=SN65HVD232QDRQ1, Max Operating Temperature=125°C, Mounting Technology="Surface Mount", Number of Drivers=1, Number of Receive Buffers=1, Number of Transceivers=1, Number of Transmit Buffers=1, Pins=8, Pricing="1=2.53, 10=1.882, 25=1.7204, 100=1.542, 250=1.45696, 500=1.40572, 1000=1.36355 (USD)", Radiation Hardening=No, REACH SVHC=No, RoHS=Compliant, Schedule B="8542390000, 8542390000|8542390000|8542390000|8542390000|8542390000", Stock=5233, Supplier=DigiKey, Thickness=1.58mm, Weight=80.002354mg, Width=3.91mm
U4: library part CMP-0395-00535-2, "Single Output Low Noise LDO, 1.5 A, Fixed 3.3 V Output, 2.1 to 20 V Input, 4-pin SOT-223 (DCY), -40 to 125 degC, Green (RoHS & no Sb/Br)", Manufacturer="Texas Instruments", Accuracy(%)=3, Code_JEDEC=TO-261, ComponentLink1Description="Manufacturer URL", ComponentLink1URL=http://www.ti.com/, ComponentLink2Description=Datasheet, ComponentLink2URL=http://www.ti.com/general/docs/lit/getliterature.tsp?genericPartNumber=TL1963A-33&fileType=pdf, ComponentLink3Description="Package Specification", ComponentLink3URL=http://www.ti.com/litv/pdf/mpds094a, DatasheetVersion=SLVS719F, Eco-Plan="Green (RoHS & no Sb/Br)", Fixed Output Options(V)=3.3, Iout(Max)(A)=1.5, Iq(Typ)(mA)=1, Mounting Technology="Surface Mount", PackageDescription="4-Pin Plastic Small Outline, Body 3.5 x 6.5 mm, Pitch 2.3 mm", PackageReference=DCY0004A, PackageVersion=4202506/B, PartNumber=TL1963A-33DCYR, SubFamily="Single Channel LDO", Vdo(Typ)(mV)=340, Vin(Max)(V)=20, Vin(Min)(V)=2.1, Vout Adj(Max)(V)=3.3, Vout Adj(Min)(V)=3.3
Y1: library part CMP-27762-004085-1, "CRYSTAL 8.0000MHZ 18PF SMD"

## Via types
v1: diameter 0.61, hole 0.305, L1 (Sig) to L4 (Sig), 144 vias

## Nets (pads, with @x,y where several pads share a name; then routed paths per layer and width w, separated by ;. In a path a pad name is that pad's centre, name@x,y a point inside that pad or via, vN(x,y) a via of type N, cw(c..) or ccw(c..) an arc to the next point about the centre after c; other vN are vias at no path point)
5V_USB: C4.1 C10.1 D3.1 J2.1 R14.1 TP2.1 U4.1 | length 17.7
  L1 (Sig) w0.254: R14.1@2.54,18.792 2.54,18.288 3.031,17.797 4.454,17.797 4.674,17.577 4.753,17.498 4.753,16.66 4.928,16.485 D3.1@5.258,16.155
  L1 (Sig) w0.381: J2.1@3.783,15.397 4.928,15.397 4.972,15.397 5.059,15.484 v1(5.12,15.484) 5.12,15.545 5.248,15.673 5.248,16.145 D3.1@5.258,16.155
  L1 (Sig) w0.508: D3.1@5.258,16.155 5.258,16.396 5.556,16.694 v1@6.077,16.694 ; v1(6.096,16.713) v1@6.077,16.694 ; v1(7.341,17.475) 7.137,17.272 C10.1@6.655,17.272 v1@6.077,16.694
  L1 (Sig) w0.762: C4.1@36.373,11.34 36.323,11.34 36.304,11.321 36.304,10.669 36.126,10.491 36.126,9.798 U4.1@36.057,9.729 ; v1(38.176,9.627) 36.159,9.627 U4.1@36.057,9.729 ; v1(38.71,7.849) 36.503,7.849 36.057,8.295 U4.1@36.057,9.729
  other v1: 37.606,7.849 36.805,7.874
AAM: R27.2 U2.1 | length 1.3
  L1 (Sig) w0.381: R27.2@32.563,38.948 32.622,39.007 32.673,39.007 33.277,39.611 U2.1@33.277,39.929
BOOT0: R4.1 U1.44 | length 16
  L1 (Sig) w0.254: U1.44@17.006,22.166 v1@17.006,24.88 ; v1@20.481,33.689 v1@20.632,33.84 ; v1@20.632,33.935 v1@20.632,33.84 ; R4.1@21.488,35.509 21.488,34.696 v1@20.632,33.84
  L4 (Sig) w0.254: v1(17.018,24.892) 18.669,26.543 19.394,26.543 19.736,26.885 19.736,27.381 20.676,28.321 20.676,33.794 v1(20.632,33.839)
BOOT0_R: J1.3 R4.2 | length 2.6
  L1 (Sig) w0.254: J1.3@19.964,37.894 19.964,36.083 20.488,35.559 R4.2@20.488,35.509
BOOT1: R1.2 U1.20 | length 7.1
  L1 (Sig) w0.203: U1.20@15.506,30.666 15.506,31.461 15.928,31.883 15.928,36.016 16.047,36.135 R1.2@17.424,36.135
BOOT1_R: J1.4 R1.1 | length 12.9
  L1 (Sig) w0.254: v1(15.494,39.751) 16.753,41.01 16.753,42.322 18.025,43.595 18.024,43.597 18.42,43.993 19.79,43.993 19.939,43.844 19.939,41.989 J1.4@19.964,41.964 ; v1(17.399,37.897) 17.412,37.884 17.412,37.148 R1.1@17.424,37.135
  L4 (Sig) w0.254: v1(15.494,39.751) 15.494,38.876 16.473,37.897 v1(17.399,37.897)
BST: R23.1 U2.5 | length 10.6
  L1 (Sig) w0.254: v1@34.677,43.835 35.225,43.288 35.225,42.668 U2.5@35.265,42.628 ; R23.1@37.422,39.751 37.422,40.352 37.614,40.543 38.959,40.543 v1(38.995,40.507)
  L4 (Sig) w0.254: v1(34.671,43.835) 37.724,43.835 38.995,42.564 v1(38.995,40.507)
CAN_D_N: U1.46 U3.1 | length 5.7
  L1 (Sig) w0.254: U3.1@16.662,17.965 16.662,18.44 16.031,19.072 16.031,19.282 16.574,19.826 17.26,19.826 17.985,20.55 17.985,22.145 U1.46@18.006,22.166
CAN_D_P: U1.45 U3.4 | length 7.5
  L1 (Sig) w0.254: U3.4@12.852,17.965 12.852,18.44 13.533,19.121 15.134,19.121 16.295,20.283 17.071,20.283 17.527,20.739 17.527,22.145 U1.45@17.506,22.166